# Altium PCB PCB1.PcbDoc
Units mm, origin at the board's own origin, x right, y up, seen from the top; angles counter-clockwise.
Board outline 100.13 x 59.87 mm, 2 copper layers (Top Layer, Bottom Layer); 153 components, 62 nets, 405 pads, 73 vias.
Unrouted connection lines stored in the file: 55.
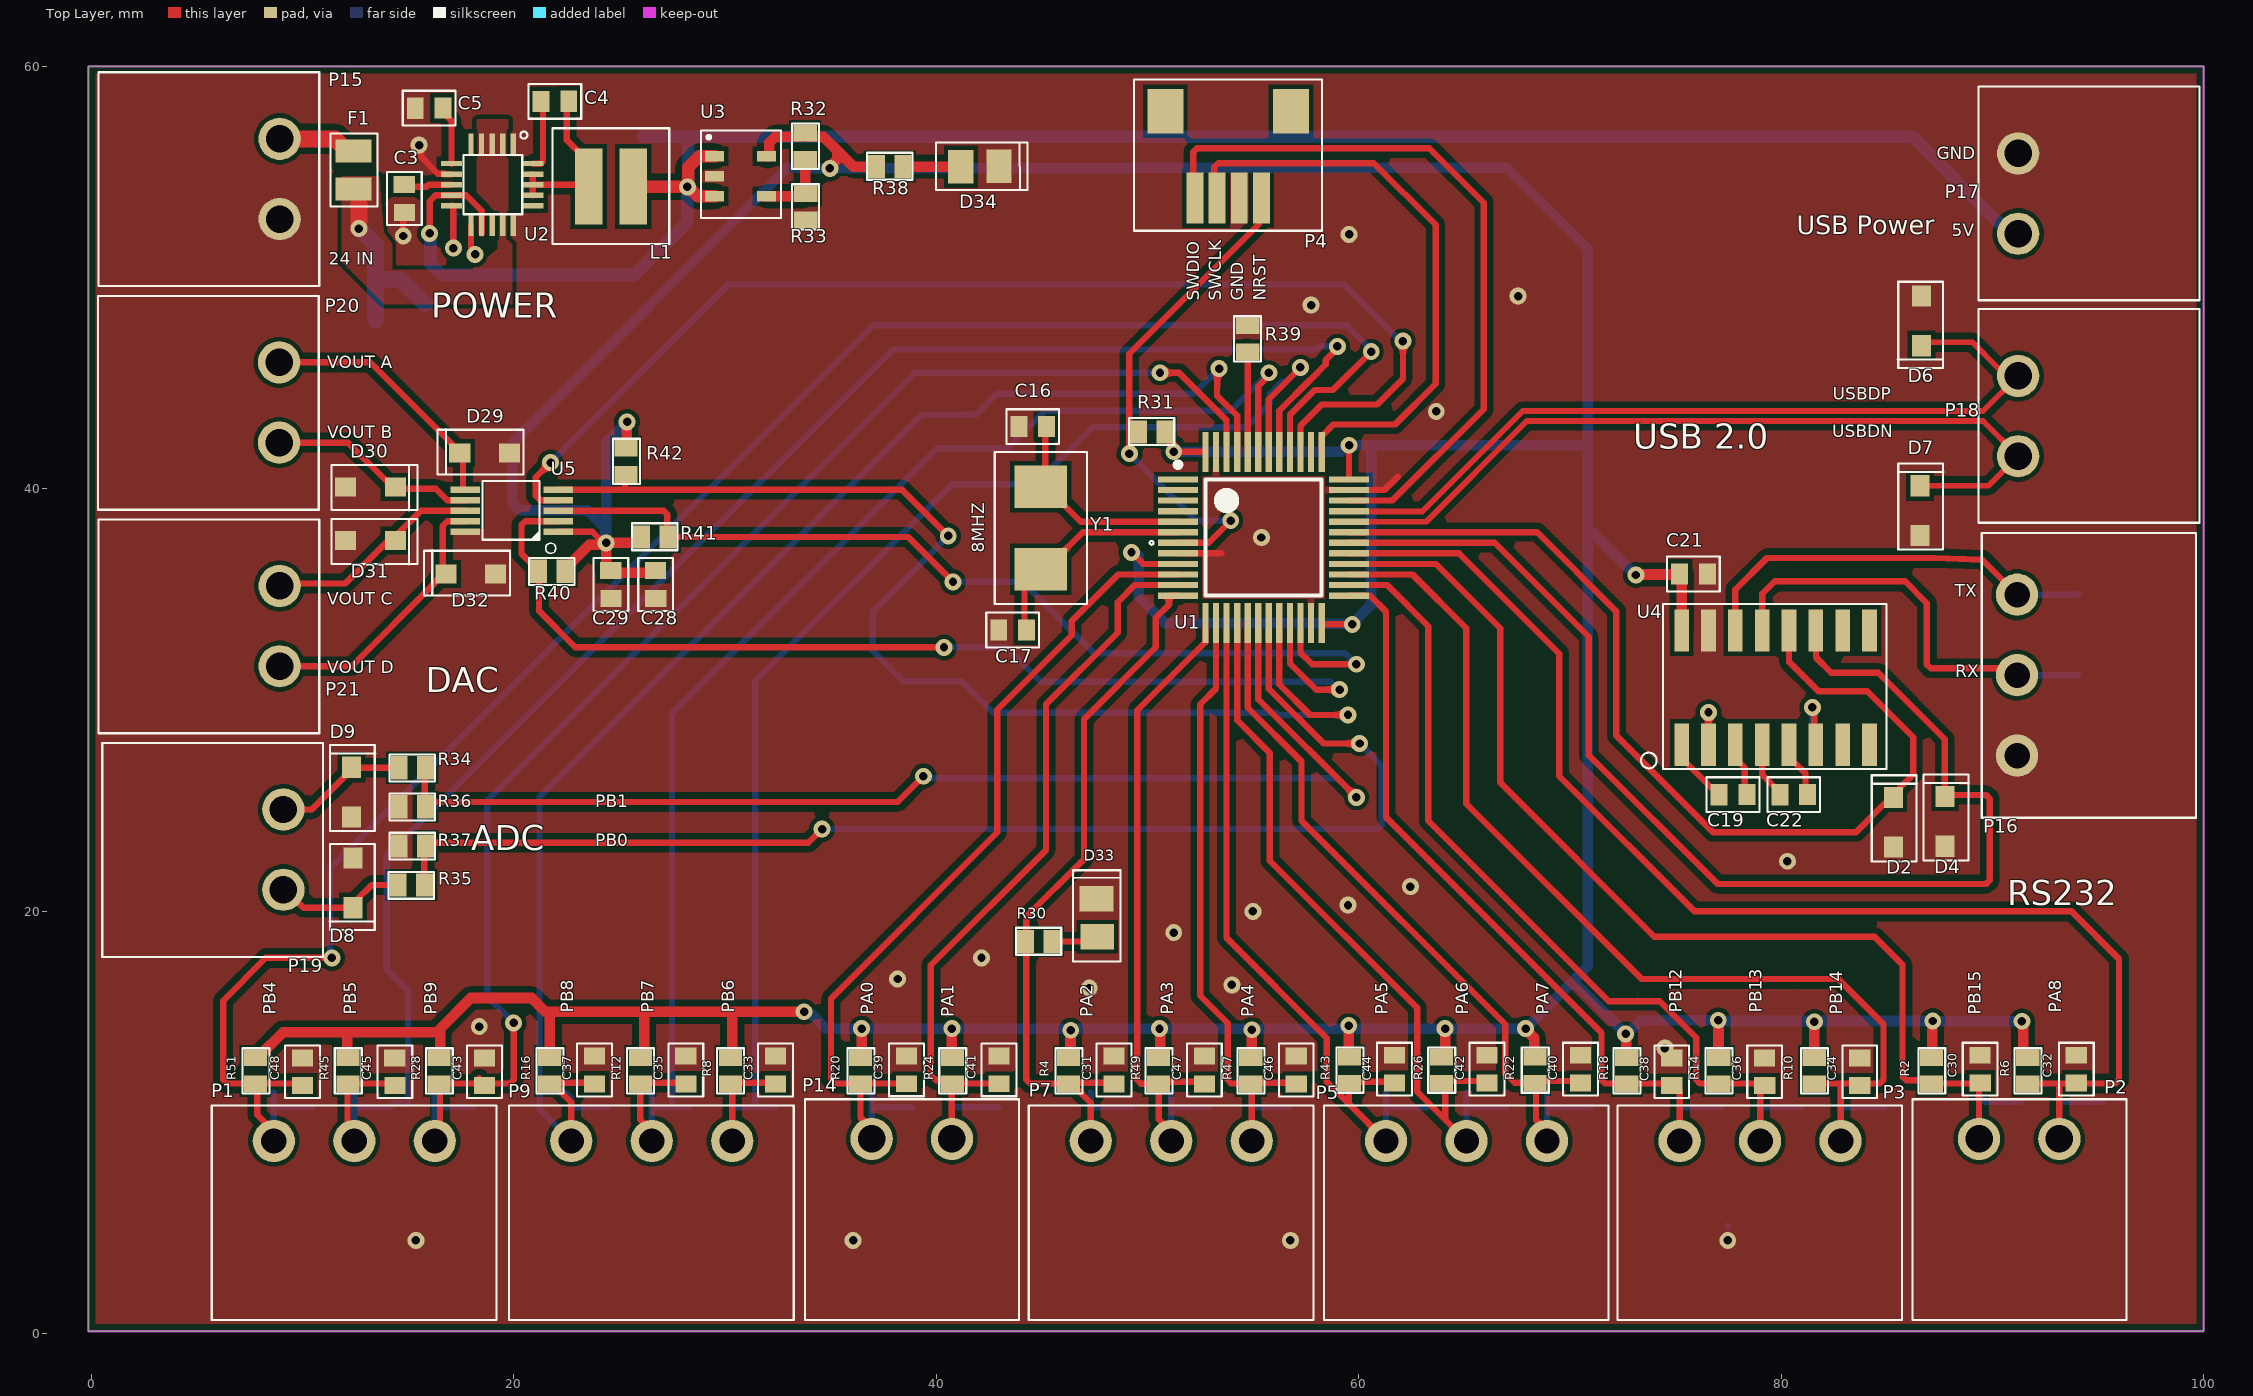
[diagram p0: Top Layer view]
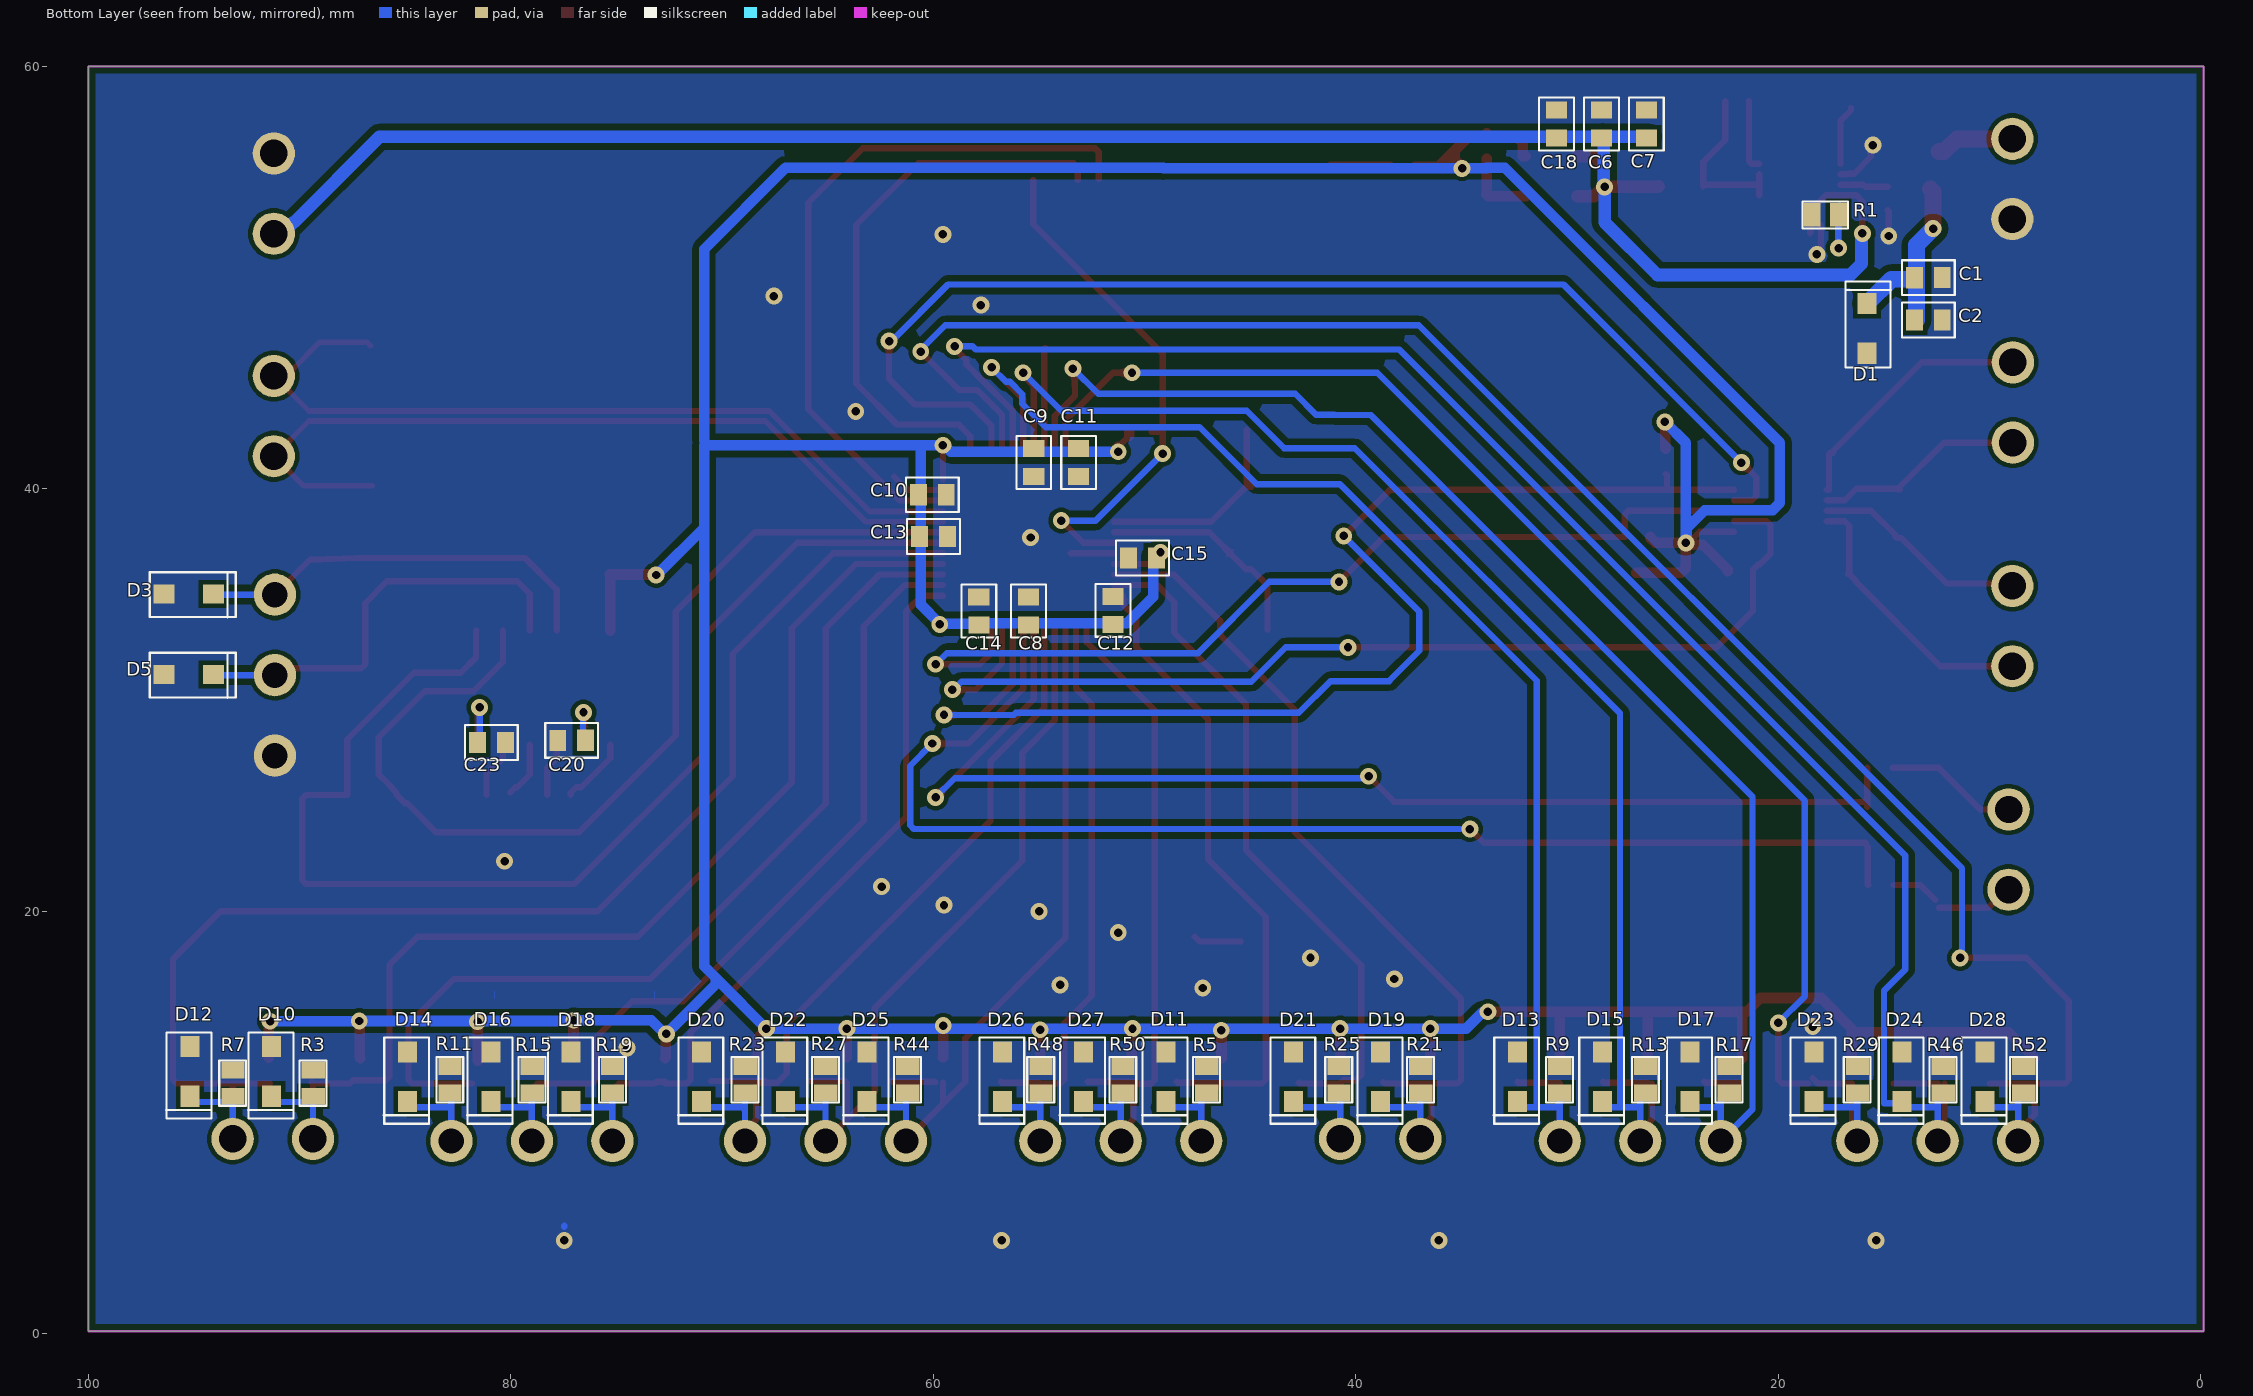
[diagram p1: Bottom Layer view, seen from below]
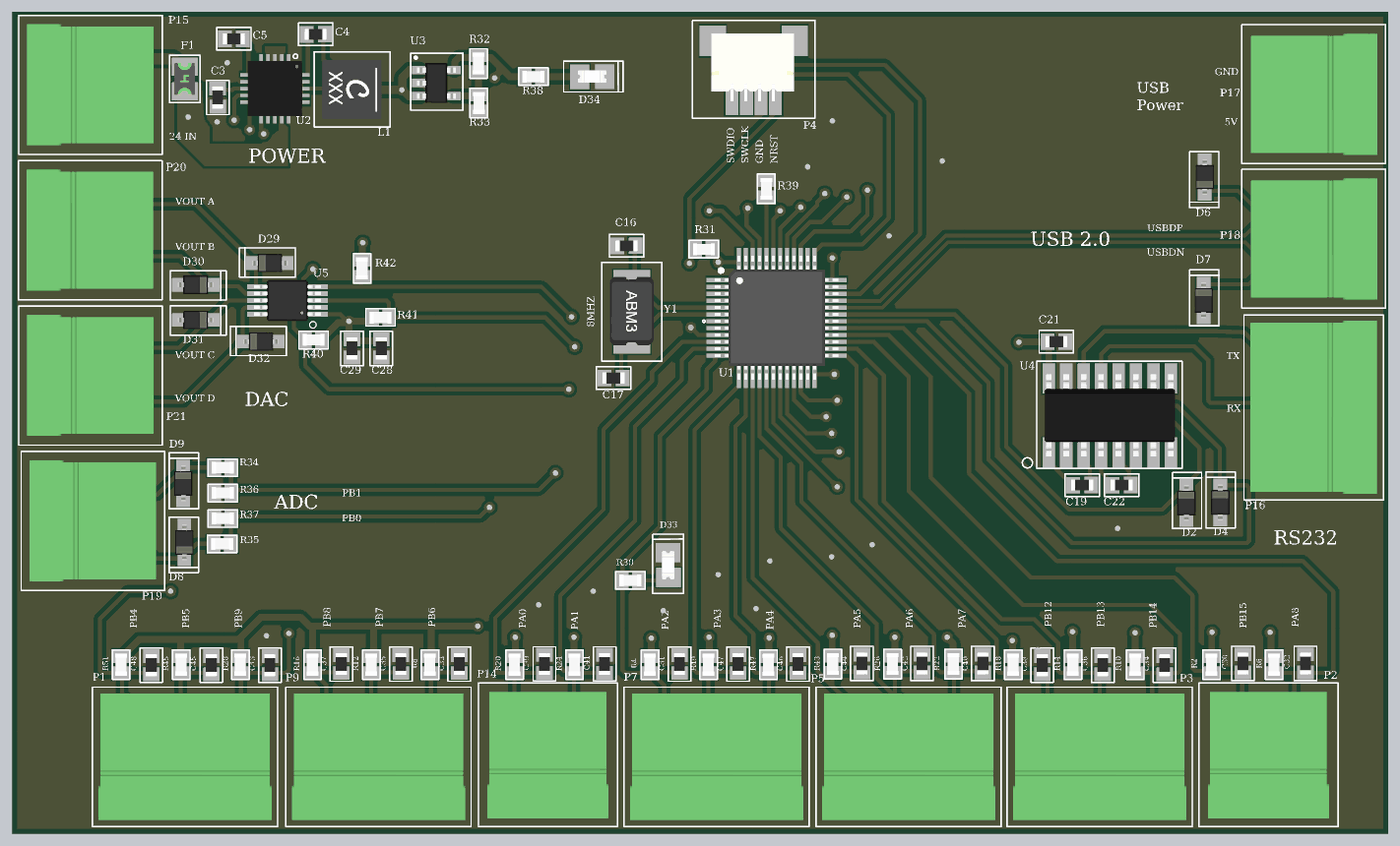
[diagram p2: 3D render of the assembled board from above, using the file's embedded part models]
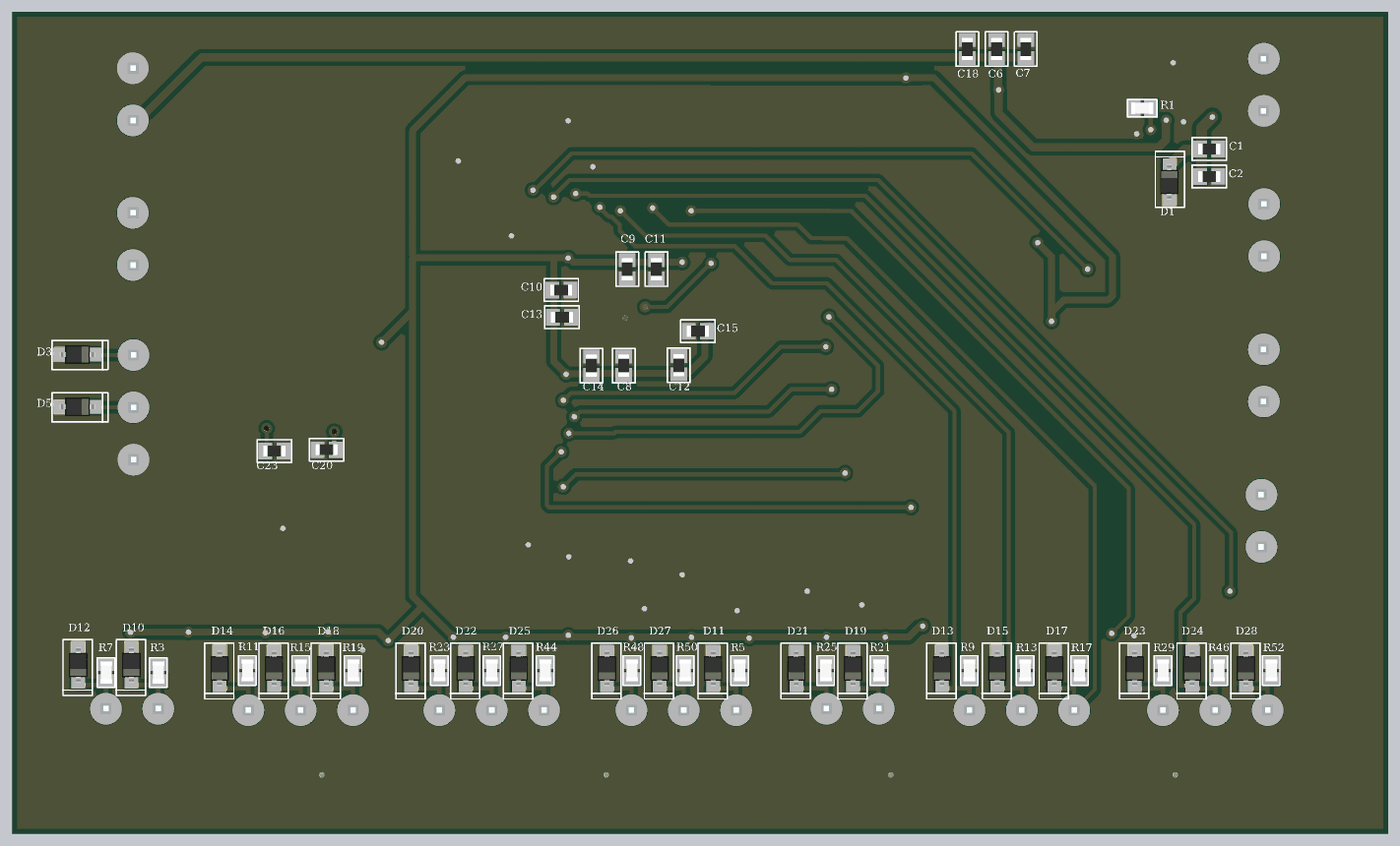
[diagram p3: 3D render of the assembled board from below, using the file's embedded part models]

## Layer stack, top to bottom
Top Solder: solder mask 0.0102, Solder Resist, Dk 3.5
Top Layer: signal copper 0.105
Dielectric 1: dielectric 0.32, FR-4, Dk 4.8
Bottom Layer: signal copper 0.105
Bottom Solder: solder mask 0.0102, Solder Resist, Dk 3.5

## Board outline
-0.127,0.127 -0.127,60 100,60 100,0.127

## Design rules (kind name [scope] priority, off if disabled: settings)
Clearance [All] p1: gap=0.2 ignorepadtopadclearanceinfootprint=TRUE except(0.3: Arc-Fill Arc-Poly Arc-Region Track-Fill Track-Poly Track-Region)
ComponentClearance [All] p1: gap=0.2 collisioncheckmode=3 verticalgap=0.2 showdistances=FALSE
DiffPairsRouting [All] p1: maxlimit=0.2 minlimit=0.2 mostfreqgap=0.2 toplayer_minwidth=0.271 toplayer_maxwidth=0.271 toplayer_prefwidth=0.271 bottomlayer_minwidth=0.271 bottomlayer_maxwidth=0.271 bottomlayer_prefwidth=0.271 impedanceprofiledriven=TRUE impedanceprofileid={B7A45BCC-3A3A-4B84-81AB-FE915B9B1FC7} impedanceprofilevalue=90.000000 maxuncoupledlength=12.7
HoleSize [All] p1: absolutevalues=TRUE maxlimit=2.54 minlimit=0.4 maxpercent=80.000 minpercent=20.000
HoleToHoleClearance [All] p1: gap=0.4 allowstackedmicrovias=TRUE
MinimumSolderMaskSliver [All] p1: minsoldermaskwidth=0.1
PasteMaskExpansion [All] p1: expansion=0.1 thpadusetoppaste=TRUE
PlaneConnect [All] p1: planeconnectstyle=Direct reliefexpansion=0.508 reliefentries=4 reliefconductorwidth=0.254 reliefairgap=0.254
PolygonConnect [All] p1: connectstyle=Direct reliefconductorwidth=0.254 reliefentries=2 polygonreliefangle="90 Angle" airgapwidth=0.254
RoutingCorners [All] p1: cornerstyle=45-Degree minsetback=2 maxsetback=2
RoutingVias [All] p1: holewidth=0.8 width=0.8 viastyle="Through Hole" minholewidth=0.4 minwidth=0.8 maxholewidth=2 maxwidth=2
SilkToSilkClearance [All] p1: silktosilkclearance=0
SilkToSolderMaskClearance [IsPad] p1: minsilkscreentomaskgap=0 clearancetoexposedcopper=TRUE
SolderMaskExpansion [All] p1: expansion=0.102 istentingtop=TRUE useseparateexpansions=TRUE expansionbottom=0.102 istentingbottom=TRUE
SupplyNets "Schematic Supply Nets_3" [InNet('3V3')] p1: voltage=0.000
SupplyNets "Schematic Supply Nets_2" [InNet('GND')] p2: voltage=0.000
SupplyNets "Schematic Supply Nets_1" [InNet('+24V')] p3: voltage=0.000
SupplyNets "Schematic Supply Nets" [InNet('5V OUT')] p4: voltage=0.000
UnRoutedNet [All] p1: checkbadconnections=TRUE
Width [All] p1: maxlimit=10 minlimit=0.3 preferedwidth=0.5
19 further rules are at their usual default settings.

## Classes and differential pairs
component class USB: D6 D7 P17 P18
component class RS232: C19 C20 C21 C22 C23 D2 D3 D4 D5 P16 U4
component class Power: C1 C2 C3 C4 C5 C6 C7 C18 D1 D34 F1 L1 P15 R1 R32 R33 R38 U2 U3
component class Oscillators: C16 C17 Y1
component class MCU: C8 C9 C10 C11 C12 C13 C14 C15 P4 R31 R39 U1
component class GPIO: C30 C31 C32 C33 C34 C35 C36 C37 C38 C39 C40 C41 C42 C43 C44 C45 C46 C47 C48 D10 D11 D12 D13 D14 D15 D16 D17 D18 D19 D20 D21 D22 D23 D24 D25 D26 D27 D28 D33 P1 P2 P3 P5 P7 P9 P14 R2 R3 R4 R5 R6 R7 R8 R9 R10 R11 R12 R13 R14 R15 R16 R17 R18 R19 R20 R21 R22 R23 R24 R25 R26 R27 R28 R29 R30 R43 R44 R45 R46 R47 R48 R49 R50 R51 R52
component class DAC: C28 C29 D29 D30 D31 D32 P20 P21 R40 R41 R42 U5
component class ADC: D8 D9 P19 R34 R35 R36 R37
differential pair USBD: +USBD_P -USBD_N

## Components (designator, comment, footprint, x,y, rotation, side; value= is the part's Value field where it differs from the comment)
C1 "0603 Capacitor" "0603 CAP"#1 12.9,50 r180 bottom value=4.7uF
C2 "0603 Capacitor" "0603 CAP"#1 12.9,48 r0 bottom value=4.7uF
C3 "0603 Capacitor" "0603 CAP"#2 14.825,53.75 r270 top value=5600pF
C4 "0603 Capacitor" "0603 CAP"#2 21.95,58.35 r180 top value=0.1uF
C5 "0603 Capacitor" "0603 CAP"#2 16,58.025 r180 top value=2.2uF
C6 "0603 Capacitor" "0603 CAP"#1 28.374,57.275 r90 bottom value=47uF
C7 "0603 Capacitor" "0603 CAP"#1 26.25,57.275 r90 bottom value=47uF
C8 "0603 Capacitor" "0603 CAP"#1 55.5,34.225 r90 bottom value=100nF
C9 "0603 Capacitor" "0603 CAP"#1 55.25,41.25 r270 bottom value=100nF
C10 "0603 Capacitor" "0603 CAP"#1 60.05,39.725 r180 bottom value=100nF
C11 "0603 Capacitor" "0603 CAP"#1 53.125,41.25 r270 bottom value=100nF
C12 "0603 Capacitor" "0603 CAP"#1 51.5,34.25 r90 bottom value=100nF
C13 "0603 Capacitor" "0603 CAP"#1 60,37.75 r180 bottom value=4.7uF
C14 "0603 Capacitor" "0603 CAP"#1 57.85,34.225 r270 bottom value=10nF
C15 "0603 Capacitor" "0603 CAP"#1 50.106,36.731 r0 bottom value=1uF
C16 "0603 Capacitor" "0603 CAP"#2 44.575,42.95 r180 top value=10pF
C17 "0603 Capacitor" "0603 CAP"#2 43.625,33.325 r180 top value=10pF
C18 "0603 Capacitor" "0603 CAP"#1 30.5,57.275 r90 bottom value=2.2uF
C19 "0603 Capacitor" "0603 CAP"#2 77.725,25.525 r0 top value=100nF
C20 "0603 Capacitor" "0603 CAP"#1 77.125,28.1 r0 bottom value=100nF
C21 "0603 Capacitor" "0603 CAP"#2 75.85,35.975 r0 top value=100nF
C22 "0603 Capacitor" "0603 CAP"#2 80.6,25.525 r0 top value=100nF
C23 "0603 Capacitor" "0603 CAP"#1 80.925,28 r180 bottom value=100nF
C28 "0603 Capacitor" "0603 CAP"#2 26.725,35.475 r270 top value=100nF
C29 "0603 Capacitor" "0603 CAP"#2 24.6,35.475 r270 top value="10uF (tantalium recomm)"
C30 "0603 Capacitor" "0603 CAP"#2 89.425,12.534 r90 top value=100nF
C31 "0603 Capacitor" "0603 CAP"#2 48.425,12.491 r90 top value=100nF
C32 "0603 Capacitor" "0603 CAP"#2 93.975,12.534 r90 top value=100nF
C33 "0603 Capacitor" "0603 CAP"#2 32.4,12.491 r90 top value=100nF
C34 "0603 Capacitor" "0603 CAP"#2 83.725,12.409 r90 top value=100nF
C35 "0603 Capacitor" "0603 CAP"#2 28.15,12.491 r90 top value=100nF
C36 "0603 Capacitor" "0603 CAP"#2 79.225,12.409 r90 top value=100nF
C37 "0603 Capacitor" "0603 CAP"#2 23.825,12.491 r90 top value=100nF
C38 "0603 Capacitor" "0603 CAP"#2 74.825,12.409 r90 top value=100nF
C39 "0603 Capacitor" "0603 CAP"#2 38.6,12.5 r90 top value=100nF
C40 "0603 Capacitor" "0603 CAP"#2 70.5,12.532 r90 top value=100nF
C41 "0603 Capacitor" "0603 CAP"#2 42.975,12.5 r90 top value=100nF
C42 "0603 Capacitor" "0603 CAP"#2 66.075,12.532 r90 top value=100nF
C43 "0603 Capacitor" "0603 CAP"#2 18.625,12.409 r90 top value=100nF
C44 "0603 Capacitor" "0603 CAP"#2 61.7,12.532 r90 top value=100nF
C45 "0603 Capacitor" "0603 CAP"#2 14.375,12.409 r90 top value=100nF
C46 "0603 Capacitor" "0603 CAP"#2 57.05,12.491 r90 top value=100nF
C47 "0603 Capacitor" "0603 CAP"#2 52.7,12.491 r90 top value=100nF
C48 "0603 Capacitor" "0603 CAP"#2 10,12.409 r90 top value=100nF
D1 "TVS" "TVS DIODE"#1 16.5,48.5 r270 bottom
D2 "TVS" "TVS DIODE"#2 84.617,25.121 r270 top
D3 "TVS" "TVS DIODE"#1 94.35,35.732 r0 bottom
D4 "TVS" "TVS DIODE"#2 87.067,25.158 r270 top
D5 "TVS" "TVS DIODE"#1 94.35,31.922 r0 bottom
D6 "TVS" "TVS DIODE"#2 87.348,47.056 r90 top
D7 "TVS" "TVS DIODE"#2 85.873,39.875 r270 top
D8 "TVS" "TVS DIODE"#2 11.625,26.55 r270 top
D9 "TVS" "TVS DIODE"#2 13.1,20.45 r90 top
D10 "TVS" "TVS DIODE"#1 90.625,11.525 r90 bottom
D11 "TVS" "TVS DIODE"#1 48.3,11.275 r90 bottom
D12 "TVS" "TVS DIODE"#1 94.5,11.525 r90 bottom
D13 "TVS" "TVS DIODE"#1 31.65,11.275 r90 bottom
D14 "TVS" "TVS DIODE"#1 84.2,11.275 r90 bottom
D15 "TVS" "TVS DIODE"#1 27.625,11.275 r90 bottom
D16 "TVS" "TVS DIODE"#1 80.25,11.275 r90 bottom
D17 "TVS" "TVS DIODE"#1 23.475,11.275 r90 bottom
D18 "TVS" "TVS DIODE"#1 76.45,11.275 r90 bottom
D19 "TVS" "TVS DIODE"#1 38.125,11.275 r90 bottom
D20 "TVS" "TVS DIODE"#1 70.275,11.275 r90 bottom
D21 "TVS" "TVS DIODE"#1 42.25,11.275 r90 bottom
D22 "TVS" "TVS DIODE"#1 66.3,11.275 r90 bottom
D23 "TVS" "TVS DIODE"#1 17.625,11.275 r90 bottom
D24 "TVS" "TVS DIODE"#1 13.45,11.275 r90 bottom
D25 "TVS" "TVS DIODE"#1 62.45,11.275 r90 bottom
D26 "TVS" "TVS DIODE"#1 56.025,11.275 r90 bottom
D27 "TVS" "TVS DIODE"#1 52.2,11.275 r90 bottom
D28 "TVS" "TVS DIODE"#1 9.525,11.275 r90 bottom
D29 "TVS" "TVS DIODE"#2 17.725,41 r0 top
D30 "TVS" "TVS DIODE"#2 14.125,40.8 r180 top
D31 "TVS" "TVS DIODE"#2 14.125,38.25 r180 top
D32 "TVS" "TVS DIODE"#2 17.075,35.275 r0 top
D33 "LED" "0805 LED" 48.25,18.65 r90 top
D34 "LED" "0805 LED" 41.025,54.625 r0 top
F1 "Fuse" "0805 FUSE" 11.725,56.15 r270 top
L1 "8.2uH" XAL6060 25.92,56.025 r180 top
P1 "3-Pin Header" "WR-TBL 322 3H" 12.458,9.134 r180 top
P2 "2-Pin Header" "WR-TBL 322 2H"#1 91.273,5.834 r0 top
P3 "3-Pin Header" "WR-TBL 322 3H" 79.008,9.134 r180 top
P4 "4PIN HEADER" SM04B-SRSS-TB 56.775,58.8 r180 top
P5 "3-Pin Header" "WR-TBL 322 3H" 65.108,9.134 r180 top
P7 "3-Pin Header" "WR-TBL 322 3H" 51.133,9.134 r180 top
P9 "3-Pin Header" "WR-TBL 322 3H" 26.538,9.134 r180 top
P14 "2-Pin Header" "WR-TBL 322 2H"#1 38.848,5.834 r0 top
P15 "PCB Input" "WR-TBL 322 2H"#1 5.525,54.675 r270 top
P16 "RS232 Header 1" "WR-TBL 322 3H" 91.175,31.185 r270 top
P17 "2-Pin Header" "WR-TBL 322 2H"#2 94.625,53.981 r90 top
P18 "2-Pin Header" "WR-TBL 322 2H"#3 94.625,43.45 r90 top
P19 "ADC Input" "WR-TBL 322 2H"#1 5.7,22.925 r270 top
P20 "A/B" "WR-TBL 322 2H"#1 5.5,44.092 r270 top
P21 "C/D" "WR-TBL 322 2H"#1 5.525,33.508 r270 top
R1 "Resistor" "0603 RES"#1 16.979,53.405 r0 bottom value=51.1K
R2 "Resistor" "0603 RES"#2 86.7,13.25 r270 top value=10K
R3 "Resistor" "0603 RES"#1 88.936,11.075 r90 bottom value=10K
R4 "Resistor" "0603 RES"#2 45.848,13.25 r270 top value=10K
R5 "Resistor" "0603 RES"#1 46.636,11.225 r90 bottom value=10K
R6 "Resistor" "0603 RES"#2 91.25,13.25 r270 top value=10K
R7 "Resistor" "0603 RES"#1 92.736,11.075 r90 bottom value=10K
R8 "Resistor" "0603 RES"#2 29.836,13.25 r270 top value=10K
R9 "Resistor" "0603 RES"#1 29.923,11.225 r90 bottom value=10K
R10 "Resistor" "0603 RES"#2 81.15,13.25 r270 top value=10K
R11 "Resistor" "0603 RES"#1 82.456,11.225 r90 bottom value=10K
R12 "Resistor" "0603 RES"#2 25.576,13.25 r270 top value=10K
R13 "Resistor" "0603 RES"#1 25.863,11.225 r90 bottom value=10K
R14 "Resistor" "0603 RES"#2 76.625,13.25 r270 top value=10K
R15 "Resistor" "0603 RES"#1 78.571,11.225 r90 bottom value=10K
R16 "Resistor" "0603 RES"#2 21.291,13.25 r270 top value=10K
R17 "Resistor" "0603 RES"#1 21.903,11.225 r90 bottom value=10K
R18 "Resistor" "0603 RES"#2 72.275,13.25 r270 top value=10K
R19 "Resistor" "0603 RES"#1 74.761,11.225 r90 bottom value=10K
R20 "Resistor" "0603 RES"#2 36,13.25 r270 top value=10K
R21 "Resistor" "0603 RES"#1 36.5,11.225 r90 bottom value=10K
R22 "Resistor" "0603 RES"#2 67.925,13.291 r270 top value=10K
R23 "Resistor" "0603 RES"#1 68.481,11.225 r90 bottom value=10K
R24 "Resistor" "0603 RES"#2 40.35,13.25 r270 top value=10K
R25 "Resistor" "0603 RES"#1 40.375,11.225 r90 bottom value=10K
R26 "Resistor" "0603 RES"#2 63.5,13.291 r270 top value=10K
R27 "Resistor" "0603 RES"#1 64.671,11.225 r90 bottom value=10K
R28 "Resistor" "0603 RES"#2 16.043,13.25 r270 top value=10K
R29 "Resistor" "0603 RES"#1 15.831,11.225 r90 bottom value=10K
R30 "Resistor" "0603 RES"#2 44.05,18.15 r0 top value=220Ω
R31 "Resistor" "0603 RES"#2 49.4,42.275 r0 top value=2.2K
R32 "Resistor" "0603 RES"#2 33.375,57.025 r270 top value=3.9K
R33 "Resistor" "0603 RES"#2 34.25,52.55 r90 top value=2.2K
R34 "Resistor" "0603 RES"#2 16,27.225 r180 top value=1K
R35 "Resistor" "0603 RES"#2 15.95,21.675 r180 top value=1K
R36 "Resistor" "0603 RES"#2 16,25.375 r180 top value=2K
R37 "Resistor" "0603 RES"#2 16,23.525 r180 top value=2K
R38 "Resistor" "0603 RES"#2 37,54.838 r0 top value=220Ω
R39 "Resistor" "0603 RES"#2 55.175,46.3 r90 top value=2.2K
R40 "Resistor" "0603 RES"#2 22.6,36.525 r180 top value=5.6K
R41 "Resistor" "0603 RES"#2 25.875,37.3 r0 top value=5.6K
R42 "Resistor" "0603 RES"#2 24.9,42.1 r270 top value=100K
R43 "Resistor" "0603 RES"#2 59.15,13.291 r270 top value=10K
R44 "Resistor" "0603 RES"#1 60.786,11.225 r90 bottom value=10K
R45 "Resistor" "0603 RES"#2 11.733,13.25 r270 top value=10K
R46 "Resistor" "0603 RES"#1 11.771,11.225 r90 bottom value=10K
R47 "Resistor" "0603 RES"#2 54.468,13.25 r270 top value=10K
R48 "Resistor" "0603 RES"#1 54.481,11.225 r90 bottom value=10K
R49 "Resistor" "0603 RES"#2 50.108,13.25 r270 top value=10K
R50 "Resistor" "0603 RES"#1 50.596,11.225 r90 bottom value=10K
R51 "Resistor" "0603 RES"#2 7.361,13.25 r270 top value=10K
R52 "Resistor" "0603 RES"#1 7.961,11.225 r90 bottom value=10K
U1 "STM32F103C8T6" LQFP48_N 55.5,37.7 r0 top
U2 "MAX17634B" "20-PIN TQFN" 20.984,56.401 r180 top
U3 "ADP7118" "5-PIN TSOT" 29.865,56.327 r270 top
U4 "MAX3232" "16-PIN SOIC" 84.691,27.595 r90 top
U5 "MCP4728" "10-PIN MSOP" 21.403,37.467 r90 top
Y1 "XTAL" "ABM3 2PIN SMD" 43.275,40.75 r270 top value=8MHz
